# Altium PCB TE0723.PcbDoc (part 3 of 3)
Units mm, origin at the board's own origin, x right, y up, seen from the top; angles counter-clockwise.
Board outline 53.34 x 68.58 mm, 8 copper layers (L 01, L 02, L 03, L 04, L 05, L 06, L 07, L 08), stack 1.565 mm thick; 205 components, 250 nets, 1014 pads, 526 vias.
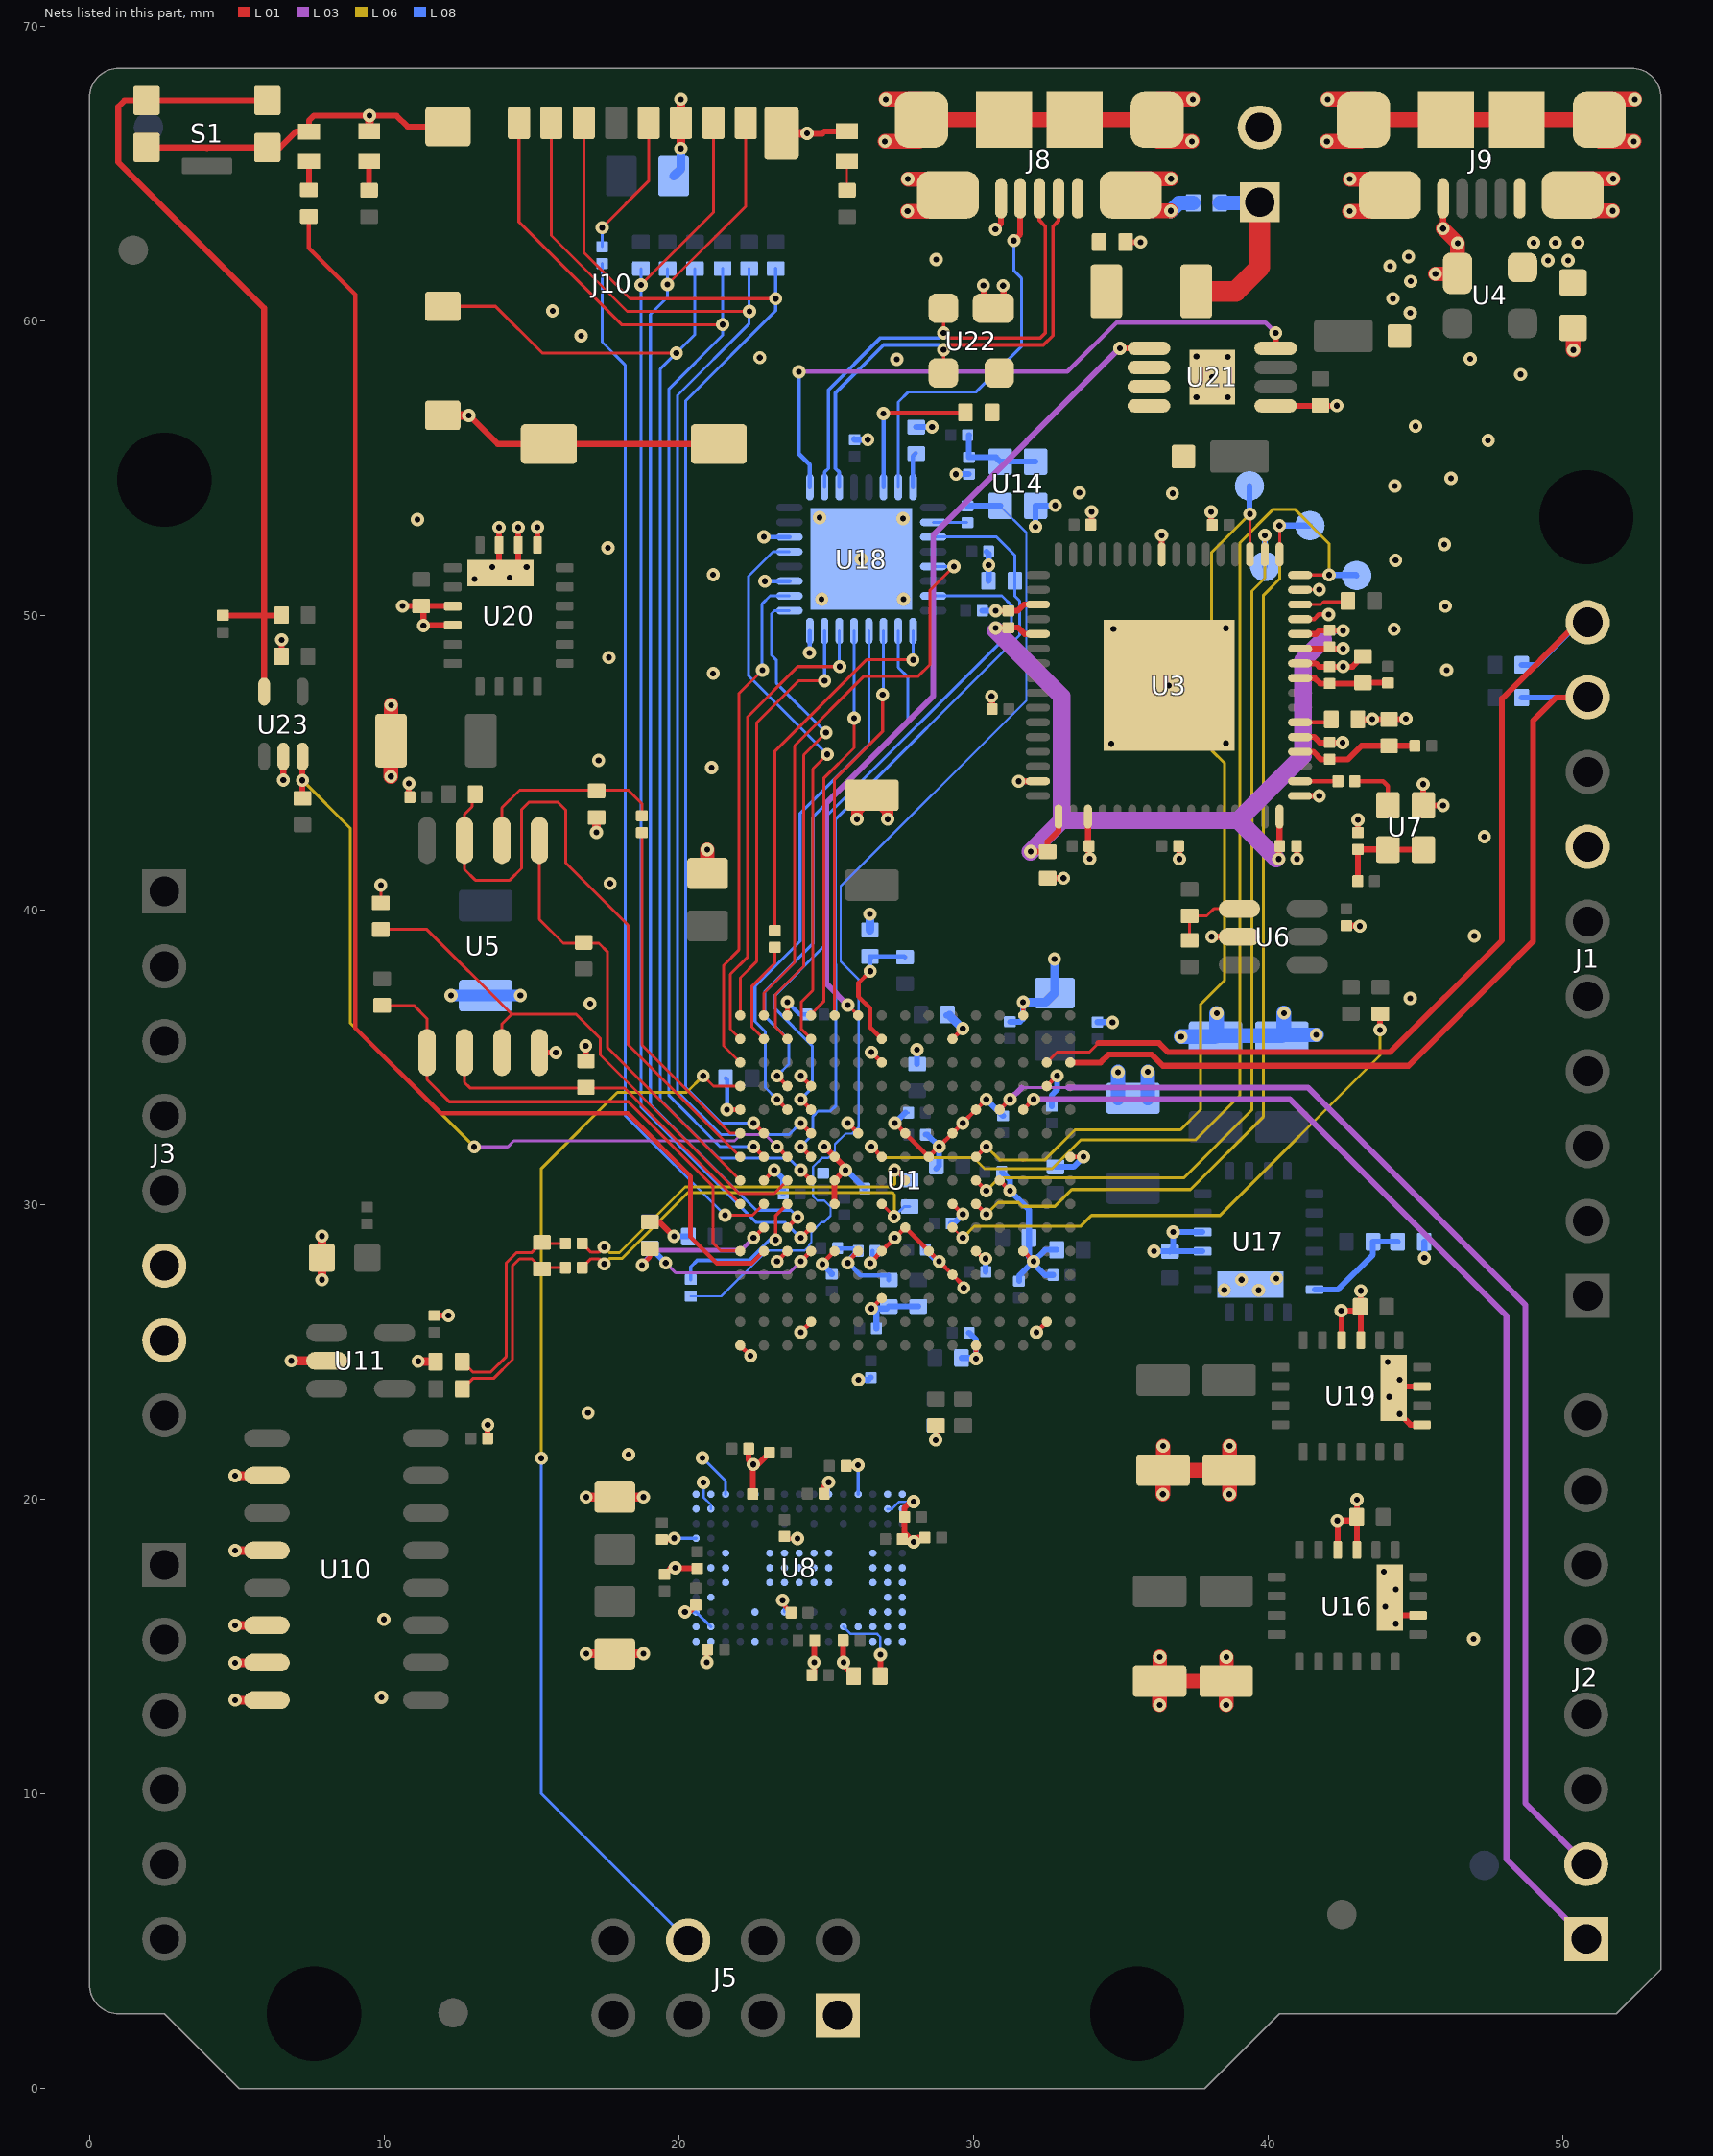
[diagram p9: the nets of this part, all layers, seen from the top]

## Via types
v1: diameter 0.45, hole 0.2, L 01 to L 08, 526 vias

## Nets (pads, with @x,y where several pads share a name; then routed paths per layer and width w, separated by ;. In a path a pad name is that pad's centre, name@x,y a point inside that pad or via, vN(x,y) a via of type N, cw(c..) or ccw(c..) an arc to the next point about the centre after c; other vN are vias at no path point) (continued)
GND: C1.2 C2.1 C3.2 C4.2 C5.2 C6.2 C7.2 C8.2 C9.2 C10.2 C11.1 C12.1 C13.1 C14.1 C15.2 C16.2 C17.2 C18.2 C19.2 C20.2 C21.1 C22.1 C23.1 C24.2 C26.2 C27.1 C31.2 C32.1 C33.2 C34.1 C35.2 C36.2 C37.2 C38.2 C39.2 C40.2 C41.2 C42.2 C43.2 C44.2 C45.2 C46.2 C47.2 C48.2 C49.1 C51.2 C52.2 C53.1 C54.2 C55.2 C56.2 C57.2 C58.2 C59.2 C60.2 C61.2 C62.1 C63.1 C64.2 C65.2 C66.2 C67.2 C68.2 C69.2 C70.2 C71.1 C72.2 C73.1 C74.2 C75.2 C77.2 C78.2 C79.2 C80.1 C81.2 C82.1 C83.2 C84.2 C85.2 C86.1 C87.2 C88.1 C89.2 C90.1 C91.1 C92.1 C93.2 C94.2 C95.2 C96.2 C97.2 C98.1 C101.2 C116.2 C117.2 D2.K D6.K D7.K J1.7 J3.6 J3.7 J5.1 J7.2 J8.5 J8.S1 J8.S2 J8.S3 J8.S4 J8.S5 J8.S6 J9.5 J9.S1 J9.S2 J9.S3 J9.S4 J9.S5 J9.S6 J10.6 J10.10 J10.G1 J10.G2 J10.G3 J10.G4 L7.2 R1.1 R8.2 R21.2 R22.1 R25.2 R27.2 R33.2 R34.2 R38.2 R39.2 R40.2 R41.2 R44.2 R53.2 S1.2 S1.4 U1.A1 U1.A11 U1.B8 U1.C5 U1.C15 U1.D2 U1.D12 U1.E5 U1.E7 U1.E8 U1.E9 U1.F10 U1.G3 U1.G5 U1.G13 U1.H6 U1.H10 U1.J5 U1.J9 U1.K4 U1.K7 U1.K10 U1.K14 U1.L1 U1.L5 U1.L11 U1.M8 U1.N5 U1.N15 U1.P2 U1.P12 U1.R9 U3.1 U3.5 U3.10 U3.11 U3.13 U3.15 U3.25 U3.35 U3.47 U3.51 U3.65 U4.1 U5.4 U6.2 U7.2 U8.A8 U8.B10 U8.D11 U8.E1 U8.F11 U8.G1 U8.J3 U8.L11 U8.N11 U8.P2 U8.P10 U8.R3 U8.R6 U8.R8 U10.2 U10.4 U10.6 U10.7 U10.8 U11.2 U14.2 U16.3 U16.4 U16.18 U16.21 U17.3 U17.4 U17.21 U18.8 U18.11 U18.14 U18.33 U19.3 U19.4 U19.17 U19.19 U19.21 U20.3 U20.4 U20.17 U20.18 U20.19 U20.21 U21.1 U21.9 U22.1 U23.2 | length 236.7
  L 01 w0.1: R34.2@9.89,40.25 v1(9.89,40.855) ; U3.10@41.09,48.38 U3.10@41.11,48.4 ; U3.15@41.09,50.88 v1(41.74,50.88)
  L 01 w0.15: v1(21.64,33.23) U1.A11@22.09,33.23 ; U1.A1@22.09,25.23 v1(22.44,24.88) ; U1.B8@22.89,30.83 v1(23.24,31.18) ; v1(23.34,28.08) U1.C5@23.69,28.43 ; v1(23.529,16.582) 23.529,16.446 C95.2@23.815,16.16 ; C94.2@23.59,18.745 23.665,18.67 v1(24.03,18.67) ; U1.C15@23.69,36.43 v1(23.69,36.88) ; v1(24.14,25.68) U1.D2@24.49,26.03 ; v1(24.14,34.38) U1.D12@24.49,34.03 ; v1@24.94,28.08 U1.E5@25.29,28.43 ; v1(25.74,32.78) U1.F10@26.09,32.43 ; v1(26.54,26.48) U1.G3@26.89,26.83 ; v1@26.54,28.08 U1.G5@26.89,28.43 v1(27.34,28.88) U1.H6@27.69,29.23 U1.J5@28.49,28.43 v1(28.84,28.08) U1.K4@29.29,27.63 v1@29.64,27.28 ; v1(26.54,35.18) U1.G13@26.89,34.83 ; v1(27.34,32.78) U1.H10@27.69,32.43 U1.J9@28.49,31.63 v1(28.84,31.98) U1.K10@29.29,32.43 v1(29.64,32.78) U1.L11@30.09,33.23 v1(30.44,33.58) ; U1.K7@29.29,30.03 v1(29.64,29.68) ; U1.K14@29.29,35.63 v1(29.64,35.98) ; v1(30.09,24.78) U1.L1@30.09,25.23 ; U1.L5@30.09,28.43 v1@30.44,28.08 ; U1.M8@30.89,30.83 v1(31.24,30.48) ; U1.N5@31.69,28.43 v1(32.04,28.08) ; U1.N15@31.69,36.43 v1(31.69,36.88) ; v1(32.14,25.68) U1.P2@32.49,26.03 ; U1.P12@32.49,34.03 v1(32.84,34.38) ; U1.R9@33.29,31.63 v1(33.74,31.63) ; U3.13@41.09,49.88 41.57,49.88 41.73,50.04 v1(42.06,50.04)
  L 01 w0.2: S1.4@1.94,65.89 3.97,65.89 ; 3.99,65.87 3.97,65.89 ; C53.1@6.52,48.62 v1(6.52,49.18) ; v1(6.58,44.42) U23.2@6.58,45.22 ; v1(10.625,50.325) U20.3@12.33,50.325 ; C75.2@10.845,43.84 v1(10.845,44.305) ; v1(11.335,49.665) C43.2@11.335,50.19 ; v1@11.345,49.675 U20.4@12.33,49.675 ; C33.2@11.71,26.245 v1(12.185,26.245) ; J10.G1@12.167,66.6 10.8,66.6 10.43,66.97 v1(9.5,66.97) 7.61,66.97 7.45,66.81 D2.K@7.45,66.43 7.01,66.43 6.47,65.89 S1.2@6.04,65.89 3.97,65.89 ; v1(12.88,56.8) 13.855,55.825 J10.G4@15.592,55.825 ; v1@13.515,22.515 C32.1@13.515,22.07 C32.1@13.534,22.051 ; v1(13.905,52.995) U20.19@13.905,52.4 13.905,51.5 U20.21@13.955,51.45 ; v1(14.255,51.29) 14.555,51.59 U20.18@14.555,52.4 v1(14.555,52.995) ; U20.17@15.205,52.4 v1(15.205,53.005) ; U5.4@15.269,35.172 v1@15.892,35.172 ; J10.G4@15.95,55.825 J10.G3@21.362,55.825 ; R33.2@16.85,34.89 v1@16.85,35.39 ; R40.2@19.02,29.42 19.35,29.42 v1(19.84,28.93) ; C55.2@19.429,18.64 19.807,18.64 v1(19.847,18.68) ; C40.2@19.519,17.459 19.719,17.659 C51.2@20.629,17.659 ; v1(20.211,16.177) 20.342,16.177 C64.2@20.581,16.416 ; v1(20.956,14.475) 20.956,14.88 C57.2@20.983,14.907 ; C56.2@22.374,21.724 22.374,21.35 v1(22.533,21.191) ; C39.2@22.511,20.186 22.511,21.169 v1(22.533,21.191) ; C61.2@23.075,21.585 22.681,21.191 v1(22.533,21.191) ; v1(24.355,66.375) 24.37,66.36 24.87,66.36 24.95,66.44 D7.K@25.71,66.44 ; C65.2@24.517,14.044 24.595,14.122 v1(24.595,14.467) 24.595,15.202 C59.2@24.616,15.223 ; C36.2@24.936,20.197 24.936,20.432 v1(25.088,20.584) ; v1(24.94,31.98) U1.E9@25.29,31.63 25.64,31.28 25.64,31.18 U1.E8@25.29,30.83 U1.E7@25.29,30.03 ; C58.2@25.58,15.226 25.58,14.482 v1(25.595,14.467) 25.595,14.348 R8.2@25.938,14.005 ; C35.2@25.682,21.142 26.057,21.142 v1(26.084,21.169) ; v1(27.967,19.931) 27.879,19.931 27.666,19.718 C38.2@27.666,19.408 27.666,18.859 v1(27.969,18.556) 28.115,18.702 C37.2@28.351,18.702 ; v1@28.735,22.046 R22.1@28.735,22.507 ; U22.1@30.355,60.445 v1@30.355,61.265 ; C10.2@30.635,46.83 v1@30.635,47.245 ; U22.1@30.68,60.435 U22.1@31.025,60.435 ; v1@30.755,50.165 C6.2@31.19,50.165 31.505,50.165 31.72,50.38 U3.35@32.19,50.38 ; v1@30.79,63.16 30.94,63.31 J8.5@30.94,64.155 ; v1@31.025,61.255 U22.1@31.025,60.435 ; U22.1@31.165,60.435 U22.1@31.025,60.435 ; v1(31.54,44.38) U3.47@32.19,44.38 ; C12.1@32.52,41.09 v1@33.05,41.09 ; C9.2@33.89,42.18 U3.51@33.89,43.18 ; v1@33.925,41.795 C9.2@33.925,42.18 ; C11.1@33.985,53.09 34.01,53.115 v1(34.01,53.53) v1@34.01,53.54 ; C52.2@35.17,62.68 v1(35.67,62.68) v1@35.71,62.68 ; U3.25@36.39,52.08 v1(36.39,52.73) ; C101.2@36.965,42.18 36.99,42.155 v1(36.99,41.74) ; v1(38.07,53.52) 38.07,53.115 C8.2@38.105,53.08 ; v1@38.12,39.1 U6.2@39.03,39.1 ; U21.1@40.26,57.125 42.325,57.125 v1(42.33,57.13) ; C7.2@40.965,42.18 40.98,42.165 v1(40.98,41.74) ; U3.1@41.09,43.88 v1(41.74,43.88) ; U3.5@41.09,45.88 41.57,45.88 41.755,45.695 C17.2@42.09,45.695 v1@42.525,45.695 ; U3.10@41.09,48.38 41.62,48.38 41.735,48.265 C20.2@42.09,48.265 v1@42.545,48.265 ; U3.11@41.09,48.88 42.035,48.88 C5.2@42.09,48.935 C5.2@42.155,48.87 ; C5.2@42.155,48.88 v1(42.55,48.88) ; v1(42.355,19.285) C41.2@42.88,19.285 ; U16.4@42.365,18.29 v1@42.365,19.275 ; v1(42.485,26.405) 43.01,26.405 C45.2@43.145,26.54 ; U19.4@42.495,25.41 v1@42.495,26.395 ; v1(42.55,48.27) v1@42.545,48.265 ; C31.2@42.66,39.475 v1@43.145,39.475 ; U16.3@43.015,18.29 v1(43.015,19.995) ; C14.1@43.05,42.635 v1(43.05,43.07) ; R1.1@43.05,46.48 v1@43.58,46.48 ; U19.3@43.145,25.41 C45.2@43.145,26.54 ; v1@43.145,27.115 C45.2@43.145,26.54 ; C19.2@43.22,48.62 42.865,48.265 v1@42.545,48.265 ; v1(43.54,46.49) v1@44.71,46.49 ; v1(43.98,16.365) 44.28,16.065 U16.18@45.09,16.065 ; U16.21@44.14,16.665 U16.21@44.19,16.715 ; U19.21@44.27,23.785 44.32,23.835 U19.19@45.22,23.835 ; v1(44.465,22.9) 44.83,22.535 U19.17@45.22,22.535 ; v1@45.27,44.24 U7.2@45.27,43.56 v1(45.94,43.56) v1@45.97,43.56 ; v1(45.94,63.14) J9.5@45.94,64.155
  L 01 w0.3: v1@4.951,13.189 U10.8@6.021,13.189 ; v1@4.951,14.459 U10.7@6.021,14.459 ; v1@4.951,15.729 U10.6@6.021,15.729 ; v1@4.951,18.269 U10.4@6.021,18.269 ; v1@4.951,20.809 U10.2@6.021,20.809 ; v1(6.854,24.706) U11.2@8.057,24.706 ; C34.1@7.88,28.21 C34.1@7.89,28.2 ; v1@7.89,27.45 C34.1@7.89,28.2 ; v1@7.89,28.95 C34.1@7.89,28.2 ; C34.1@7.9,28.19 C34.1@7.89,28.2 ; D6.K@9.5,66.44 v1(9.5,66.97) ; v1(11.16,24.69) 11.17,24.68 R21.2@11.75,24.68 ; J10.10@11.992,56.8 v1(12.88,56.8) ; v1(16.86,14.76) C96.2@17.83,14.76 v1(18.8,14.76) ; v1(16.86,20.08) C97.2@17.83,20.08 v1(18.8,20.08) ; v1(17.21,42.64) R38.2@17.21,43.15 ; v1@20.06,67.55 v1(20.077,67.533) J10.6@20.077,66.725 v1(20.077,65.859) ; J10.G2@23.487,66.375 v1(24.355,66.375)
  L 01 w0.4: v1(26.05,43.09) 26.05,43.395 C84.2@26.56,43.905 27.09,43.375 v1(27.09,43.09)
  L 01 w0.5: v1(10.23,44.54) C48.2@10.23,45.745 ; v1(10.235,46.965) C48.2@10.235,45.76 ; v1(20.97,42.06) 20.97,41.26 C16.2@20.98,41.25 ; v1(27,66.1) J8.S4@28.16,66.1 ; v1(27.03,67.53) J8.S4@28.19,67.53 ; v1(27.77,63.73) J8.S6@28.93,63.73 ; v1(27.78,64.82) J8.S6@28.94,64.82 ; J8.S4@28.24,66.83 J8.S3@31.04,66.83 ; J8.S3@30.94,66.73 J8.S3@31.04,66.83 ; J8.S5@35.54,63.74 v1(36.7,63.74) ; J8.S5@35.55,64.83 v1(36.71,64.83) ; J8.S1@36.24,66.83 J8.S2@33.44,66.83 J8.S3@31.04,66.83 ; J8.S1@36.26,66.1 v1(37.42,66.1) ; J8.S1@36.29,67.53 v1(37.45,67.53) ; v1(36.32,13.02) C42.2@36.32,13.835 ; v1(36.325,14.655) C42.2@36.325,13.84 ; C46.2@36.425,21 C46.2@36.43,20.995 ; v1(36.43,20.18) C46.2@36.43,20.995 ; v1(36.44,21.81) C46.2@36.44,20.995 ; C46.2@36.445,20.99 C46.2@36.44,20.995 ; v1(38.58,13.02) C83.2@38.58,13.835 ; v1(38.59,14.65) C83.2@38.59,13.835 ; C83.2@38.595,13.83 C83.2@38.59,13.835 ; v1(38.69,20.18) 38.69,20.995 C77.2@38.685,21 ; v1(38.695,21.815) C77.2@38.695,21 ; C77.2@38.7,20.995 C77.2@38.695,21 ; v1(42,66.1) J9.S4@43.16,66.1 ; v1(42.03,67.53) J9.S4@43.19,67.53 ; v1(42.77,63.73) J9.S6@43.93,63.73 ; v1(42.78,64.82) J9.S6@43.94,64.82 ; J9.S4@43.24,66.83 J9.S3@46.04,66.83 J9.S2@48.44,66.83 J9.S1@51.24,66.83 ; v1(45.68,61.6) 46.415,61.6 U4.1@46.435,61.62 v1(46.435,62.645) v1(45.94,63.14) ; C13.1@50.35,59.77 50.36,59.76 v1(50.36,59.02) ; J9.S5@50.54,63.74 v1(51.7,63.74) ; J9.S5@50.55,64.83 v1(51.71,64.83) ; J9.S1@51.26,66.1 v1(52.42,66.1) ; J9.S1@51.29,67.53 v1(52.45,67.53) ; C48.2@10.23,45.745 10.235,45.75 C48.2@10.235,45.76 ; C48.2@10.23,45.745 10.23,45.755 C48.2@10.235,45.76 ; C42.2@36.32,13.835 C42.2@36.33,13.835 ; C42.2@36.32,13.835 36.315,13.84 C42.2@36.325,13.84 ; C42.2@36.325,13.84 C42.2@36.33,13.835 ; C42.2@36.33,13.835 38.57,13.835 38.575,13.84 C83.2@38.58,13.835 ; C46.2@36.43,20.995 C46.2@36.44,20.995 ; C46.2@36.44,20.995 C77.2@38.68,20.995 C77.2@38.685,21 ; C83.2@38.58,13.835 C83.2@38.59,13.835 ; C77.2@38.685,21 C77.2@38.695,21
  L 08 w0.075: C23.1@27.69,33.13 C23.1@27.805,33.13 ; v1@28.775,31.98 v1(28.84,31.98)
  L 08 w0.08: v1@20.842,20.475 20.842,20.075 21.09,19.827 U8.P10@21.09,19.68 ; U8.B10@27.09,19.68 27.241,19.68 27.486,19.925 28.096,19.925 v1@28.111,19.94
  L 08 w0.1: v1@19.811,17.68 U8.R6@20.59,17.68 ; v1(19.847,18.68) U8.R8@20.59,18.68 ; v1@20.272,16.18 U8.R3@20.59,16.18 U8.P2@21.09,15.68 ; v1(20.808,21.41) 20.813,21.41 21.59,20.633 U8.N11@21.59,20.18 ; v1(22.533,21.191) 22.533,20.237 U8.L11@22.59,20.18 ; U8.J3@23.59,16.18 v1@23.59,16.532 ; v1@24.59,14.401 U8.G1@24.59,15.18 ; v1(25.088,20.584) 25.088,20.182 U8.F11@25.09,20.18 ; v1@25.59,14.401 U8.E1@25.59,15.18 ; U8.D11@26.09,20.18 v1@26.09,21.226 ; U8.A8@27.59,18.68 27.714,18.556 v1(27.969,18.556)
  L 08 w0.15: C81.2@21.59,34.3 21.64,34.25 v1(21.64,33.23) ; v1@22.89,51.17 U18.11@23.76,51.17 ; v1@22.9,52.67 U18.14@23.76,52.67 ; v1(23.69,36.88) 24.11,36.46 C82.1@24.355,36.46 ; v1@24.45,48.81 U18.8@24.45,49.48 ; v1(26.505,28.016) 26.573,28.084 C62.1@26.573,28.432 ; C63.1@27.054,26.48 C63.1@27.126,26.552
  L 08 w0.2: v1@19.93,28.93 C79.2@20.33,28.93 ; v1(23.24,31.18) 23.545,30.875 C80.1@23.545,30.38 ; v1(24.877,27.99) 25.196,27.671 C68.2@25.196,27.647 ; v1(25.66,31.18) 25.685,31.18 L7.2@26.315,30.55 ; C116.2@25.955,55.99 C116.2@25.97,55.975 v1(26.415,55.975) ; v1(26.097,24.061) 26.433,24.061 C67.2@26.52,24.148 ; v1(26.54,26.48) 26.79,26.48 ; C66.2@26.711,25.808 26.711,26.401 26.79,26.48 ; C63.1@27.054,26.48 26.79,26.48 ; C63.1@27.126,26.552 C24.2@28.132,26.552 ; v1(27.34,32.78) C23.1@27.69,33.13 ; R41.2@28.06,56.4 v1@28.64,56.4 ; C4.2@28.09,34.78 v1(28.09,35.27) ; C22.1@28.375,28.48 28.775,28.08 v1(28.84,28.08) ; C3.2@28.375,32.38 28.44,32.38 v1(28.84,31.98) 28.84,31.33 C15.2@28.74,31.23 ; R25.2@28.718,22.513 28.724,22.507 v1(28.724,22.017) ; C87.2@29.08,36.43 C87.2@29.19,36.43 ; C2.1@29.245,29.37 29.33,29.37 v1(29.64,29.68) ; v1@29.485,54.805 C117.2@29.85,54.805 ; C70.2@29.596,24.803 30.067,24.803 v1(30.09,24.78) 30.09,25.419 C71.1@29.848,25.661 ; C98.1@30.305,50.17 v1(30.76,50.17) ; C21.1@30.419,27.727 v1(30.419,28.175) ; v1(30.44,33.58) 31,33.02 C69.2@31.01,33.02 ; C26.2@30.446,52.174 30.52,52.1 v1(30.52,51.714) 30.52,51.19 R39.2@30.51,51.18 ; C92.1@30.965,31.12 31.24,30.845 v1(31.24,30.48) 31.89,29.83 C18.2@31.89,28.88 31.89,28.23 v1(32.04,28.08) ; C88.1@31.24,36.215 31.585,36.215 31.69,36.32 v1(31.69,36.88) ; C73.1@31.55,27.415 31.55,27.59 v1(32.04,28.08) ; v1(32.11,53.02) U14.2@32.11,53.73 v1@32.69,53.73 ; C90.1@32.66,33.345 32.66,33.72 32.84,33.9 v1(32.84,34.38) ; C74.2@32.707,27.622 32.431,27.622 32.04,28.013 v1(32.04,28.08) ; C89.2@32.79,31.29 33.4,31.29 v1(33.74,31.63) ; C72.2@32.83,28.476 32.436,28.476 v1(32.04,28.08) ; C91.1@34.21,36.205 v1@34.695,36.205 ; v1(36.13,28.43) 36.135,28.425 C47.2@36.675,28.425 ; C47.2@36.67,28.42 C47.2@36.675,28.425 ; U17.3@37.78,28.425 C47.2@36.675,28.425 ; U17.4@37.78,29.075 36.785,29.075 v1(36.78,29.08) 36.78,28.53 C47.2@36.675,28.425 ; R27.2@45.3,28.75 45.305,28.745 v1(45.305,28.195)
  L 08 w0.3: C93.2@19.83,64.92 20.077,65.167 v1(20.077,65.859) ; R44.2@26.49,39.33 v1(26.49,39.87) ; C87.2@29.19,36.43 v1(29.64,35.98) ; v1(31.69,36.88) 32.45,36.88 C86.1@32.76,37.19 v1@32.76,38.26
  L 08 w0.4: v1(12.275,37.105) C85.2@13.45,37.105 v1(14.625,37.105)
  L 08 w0.5: C78.2@34.91,33.62 v1(34.91,34.505) ; C78.2@35.92,33.63 v1(35.92,34.515) ; v1(36.7,63.74) 36.97,64.01 R53.2@37.46,64.01 ; v1(37.05,35.71) 38.185,35.71 C44.2@38.225,35.75 ; C44.2@38.26,35.735 C44.2@38.26,35.75 ; v1(38.26,36.5) C44.2@38.26,35.785 ; C54.2@40.47,35.745 C54.2@40.465,35.75 ; C54.2@40.54,35.775 C54.2@40.54,35.825 ; v1(40.54,36.51) C54.2@40.54,35.825 ; v1(41.64,35.77) C54.2@40.485,35.77 ; C44.2@38.225,35.75 C44.2@38.26,35.75 ; C44.2@38.225,35.75 C44.2@38.26,35.785 ; C44.2@38.26,35.75 C44.2@38.26,35.785 ; C44.2@38.26,35.75 C54.2@40.465,35.75 ; C54.2@40.465,35.75 C54.2@40.485,35.77 ; C54.2@40.485,35.77 C54.2@40.54,35.825
  other v1: 4.94,13.19 9.91,13.28 4.94,14.46 46.98,15.27 4.94,15.73 44.335,15.78 9.99,15.93 44.34,16.945 43.935,17.55 19.877,17.675 4.94,18.27 20.834,20.583 4.94,20.81 18.3,21.52 13.52,22.53 16.92,22.94 44.11,23.485 44.47,24.065 44.065,24.67 43.145,27.085 38.515,27.105 39.68,27.1 29.673,27.183 7.89,27.46 39.1,27.46 40.285,27.505 7.89,28.94 15.83,35.17 16.84,35.4 34.72,36.2 16.99,36.83 44.83,37.01 32.75,38.35 38.09,39.1 47,39.13 43.12,39.46 17.67,40.91 33.06,41.09 33.95,41.75 47.34,42.5 45.27,44.28 21.12,44.84 17.28,45.09 34.68,45.647 38.57,45.665 42.53,45.69 44.68,46.5 30.62,47.26 36.64,47.63 21.17,48.04 46.06,48.15 17.63,48.58 24.44,48.74 34.755,49.545 44.28,49.54 38.57,49.573 46.01,50.32 24.85,50.56 27.63,50.56 22.92,51.17 13.07,51.245 21.17,51.39 13.675,51.65 14.84,51.645 44.33,51.88 26.2,51.92 17.6,52.3 45.98,52.41 22.89,52.68 11.13,53.26 27.61,53.29 24.78,53.33 32.78,53.74 33.6,54.17 36.76,54.15 44.31,54.4 46.21,54.66 29.41,54.8 47.47,55.95 28.6,56.4 45.01,56.43 37.57,57.41 38.64,57.41 38.11,58.1 48.57,58.19 27.4,58.7 46.86,58.72 22.75,58.76 38.64,58.78 37.57,58.8 16.69,59.5 15.72,60.35 31.01,61.2 30.34,61.21 28.74,62.09 30.75,63.11
INIT: R56.1 U1.D5 | length 6.1
  L 01 w0.15: v1(24.14,28.08) U1.D5@24.49,28.43
  L 03 w0.1: v1(19.56,28.03) 19.89,27.7 23.76,27.7 v1(24.14,28.08)
  L 08 w0.2: R56.1@19.02,28.54 19.05,28.54 v1(19.56,28.03)
MIO7: R39.1 U1.D9 U18.27 | length 27
  L 01 w0.15: v1(24.14,31.98) U1.D9@24.49,31.63
  L 08 w0.1: v1(24.14,31.98) 24.558,32.398 24.558,33.008 24.73,33.18 25.15,33.18 25.34,33.37 25.34,38.155 25.31,38.185 25.31,43.08 31.57,49.34 31.57,50.5 31.41,50.66 R39.1@31.41,51.18 31.41,52.05 30.79,52.67 U18.27@28.64,52.67
MIO8: R40.1 U1.B6 | length 5.3
  L 01 w0.15: v1(18.76,27.96) 19.02,28.22 R40.1@19.02,28.52 ; v1(22.54,28.88) U1.B6@22.89,29.23
  L 03 w0.15: v1@18.735,27.985 19.21,28.46 22.12,28.46 v1(22.54,28.88)
  L 08 w0.1: v1@22.54,28.874 v1(22.54,28.88)
MIO9: R6.2 U1.B5 | length 46.8
  L 01 w0.15: R6.2@7.45,63.55 7.45,62.48 9.03,60.9 9.03,36 11.92,33.11 18.27,33.11 20.4,30.98 20.4,28.91 21.29,28.02 22.48,28.02 U1.B5@22.89,28.43
MOD_RST: J5.6 U1.A12 | length 36.5
  L 01 w0.1: v1(20.83,34.38) 21.18,34.03 U1.A12@22.09,34.03
  L 06 w0.1: v1(15.34,21.4) 15.34,31.24 17.92,33.82 20.27,33.82 v1(20.83,34.38)
  L 08 w0.1: v1(15.34,21.4) 15.34,10.01 J5.6@20.32,5.03
NetC1_1: C1.1 C17.1 L1.1 U3.4 | length 4.2
  L 01 w0.2: U3.4@41.09,45.38 41.54,45.38 41.795,45.125 C17.1@42.09,45.125 42.715,45.125 43.175,45.585 L1.1@45.01,45.585
NetC14_2: C14.2 L3.1 U7.1 U7.4 | length 3.3
  L 01 w0.2: L3.1@43.045,40.99 43.05,40.995 C14.2@43.05,42.065 44.065,42.065 U7.4@44.07,42.06 U7.1@45.27,42.06
NetC19_1: C19.1 C20.1 L2.1 U3.9 | length 3.1
  L 01 w0.2: U3.9@41.09,47.88 41.58,47.88 41.765,47.695 C20.1@42.09,47.695 43.195,47.695 C19.1@43.22,47.72 L2.1@44.07,47.72
NetC50_1: C50.1 J7.1 R53.1 | length 6.1
  L 01 w0.7: C50.1@37.565,61.01 38.9,61.01 39.72,61.83 J7.1@39.72,64.03
  L 08 w0.5: R53.1@38.36,64.01 39.7,64.01 J7.1@39.72,64.03
NetC62_2: C62.2 C63.2 L4.2 U1.F5 | length 3.5
  L 01 w0.15: v1@25.74,28.08 U1.F5@26.09,28.43
  L 08 w0.075: v1@25.74,28.045 v1@25.74,28.08
  L 08 w0.15: L4.2@25.326,28.535 25.346,28.515 25.92,28.515 26.003,28.432 26.003,28.383 25.743,28.123 v1@25.743,28.042 ; v1@25.74,28.045 v1@25.743,28.042 ; v1(25.743,28.027) v1@25.743,28.042 ; C63.2@27.126,27.452 C63.2@27.126,27.611 ; C63.2@27.126,27.613 C63.2@27.126,27.611 ; v1@25.743,28.042 26.174,27.611 C63.2@27.126,27.611
NetC117_1: C117.1 L10.2 U14.1 U14.4 | length 3.1
  L 08 w0.2: L10.2@29.855,56.13 29.85,56.125 C117.1@29.85,55.375 30.765,55.375 U14.4@30.91,55.23 U14.1@32.11,55.23
NetD2_A: D2.A R6.1 | length 1
  L 01 w0.2: R6.1@7.45,64.45 D2.A@7.45,65.44
NetD6_A: D6.A R50.1 | length 1
  L 01 w0.2: R50.1@9.49,64.44 9.49,65.43 D6.A@9.5,65.44
NetD7_A: D7.A R51.1 | length 1
  L 01 w0.075: R51.1@25.71,64.44 D7.A@25.71,65.44
NetJ10_5: J10.5 R12.2 | length 4.9
  L 01 w0.1: v1(17.4,63.17) 18.977,64.747 J10.5@18.977,66.725
  L 08 w0.1: R12.2@17.4,62.525 v1(17.4,63.17)
NetR1_2: R1.2 U3.6 | length 1.1
  L 01 w0.15: U3.6@41.09,46.38 42.05,46.38 R1.2@42.15,46.48
NetR2_2: R2.2 U3.14 | length 1.8
  L 01 w0.1: U3.14@41.09,50.38 41.8,50.38 41.89,50.47 42.74,50.47 R2.2@42.83,50.38
NetR4_1: R4.1 R7.2 U6.1 | length 2.6
  L 01 w0.1: R7.2@37.34,38.98 R4.1@37.34,39.81 37.92,39.81 38.16,40.05 U6.1@39.03,40.05
NetR8_1: R8.1 U8.E2 | length 2.7
  L 01 w0.2: R8.1@26.838,14.005 26.843,14.01 v1(26.843,14.729)
  L 08 w0.08: U8.E2@25.59,15.68 25.837,15.433 26.736,15.433 26.843,15.326 v1(26.843,14.729)
NetR26_2: R26.2 R27.1 U17.16 | length 3.8
  L 08 w0.2: U17.16@41.58,27.125 42.375,27.125 43.56,28.31 R26.2@43.56,28.75 R27.1@44.4,28.75
NetR30_1: R30.1 R46.1 U14.3 | length 35.8
  L 08 w0.075: R30.1@20.41,26.895 21.444,26.895 22.997,28.447 24.267,28.447 24.43,28.61 24.43,28.657 24.503,28.73 24.503,29.066 24.854,29.417 24.94,29.417 25.153,29.63 25.153,29.93 24.94,30.143 24.705,30.143 24.563,30.285 24.563,31.295 24.857,31.59 25.063,31.59 25.303,31.83 25.303,32.055 25.665,32.417 25.89,32.417 26.103,32.63 26.103,37.657 25.497,38.263 25.497,40.817 31.797,47.117 31.797,52.82 30.91,53.707 U14.3@30.91,53.73
  L 08 w0.2: R46.1@29.8,53.725 30.905,53.725 U14.3@30.91,53.73
NetR41_1: R41.1 U18.24 | length 1.2
  L 08 w0.15: U18.24@27.95,54.36 27.95,55.42 R41.1@28.05,55.52
OSCI: R9.2 U3.2 | length 1.3
  L 01 w0.15: U3.2@41.09,44.38 R9.2@42.375,44.38
OSCI_R: R9.1 U7.3 | length 1.9
  L 01 w0.15: R9.1@42.945,44.38 43.91,44.38 44.07,44.22 U7.3@44.07,43.56
OTG-CLK: R45.2 U1.B14 | length 3.6
  L 01 w0.1: U1.B14@22.89,35.63 22.49,36.03 22.49,37.43 23.26,38.2 R45.2@23.26,38.745
OTG-CLKR: R45.1 U18.1 | length 13
  L 01 w0.1: R45.1@23.26,39.315 23.26,45.39 26.37,48.5 v1(27.95,48.5)
  L 08 w0.1: v1(27.95,48.5) U18.1@27.95,49.48
OTG-DATA0: U1.E15 U18.3 | length 13.7
  L 01 w0.1: U1.E15@25.29,36.43 25.29,44.44 26.92,46.07 v1(26.92,47.32)
  L 08 w0.1: v1@26.95,47.32 U18.3@26.95,49.48
OTG-DATA1: U1.C11 U18.4 | length 18.3
  L 01 w0.15: v1(23.34,33.58) U1.C11@23.69,33.23
  L 08 w0.1: v1(23.34,33.58) 22.94,33.98 22.94,35.88 22.59,36.23 22.59,37.42 24.12,38.95 24.12,43.29 26.45,45.62 U18.4@26.45,49.48
OTG-DATA2: U1.D15 U18.5 | length 13.7
  L 01 w0.1: U1.D15@24.49,36.43 24.49,36.47 24.92,36.9 24.92,44.48 25.95,45.51 v1(25.95,46.52)
  L 08 w0.1: v1(25.95,46.52) U18.5@25.95,49.48